# Altium PCB uTCA_MCH_PCB3.pcbdoc (part 7 of 25)
Units mil, origin at the board's own origin, x right, y up, seen from the top; angles counter-clockwise.
Board outline 7110.66 x 2894.12 mil, 12 copper layers (Top Layer, GND1, MidLayer1, PWR1, MidLayer2, GND2, PWR2, MidLayer3, GND3, MidLayer4, PWR3, Bottom Layer), stack 63.15 mil thick; 767 components, 905 nets, 4553 pads, 2832 vias.
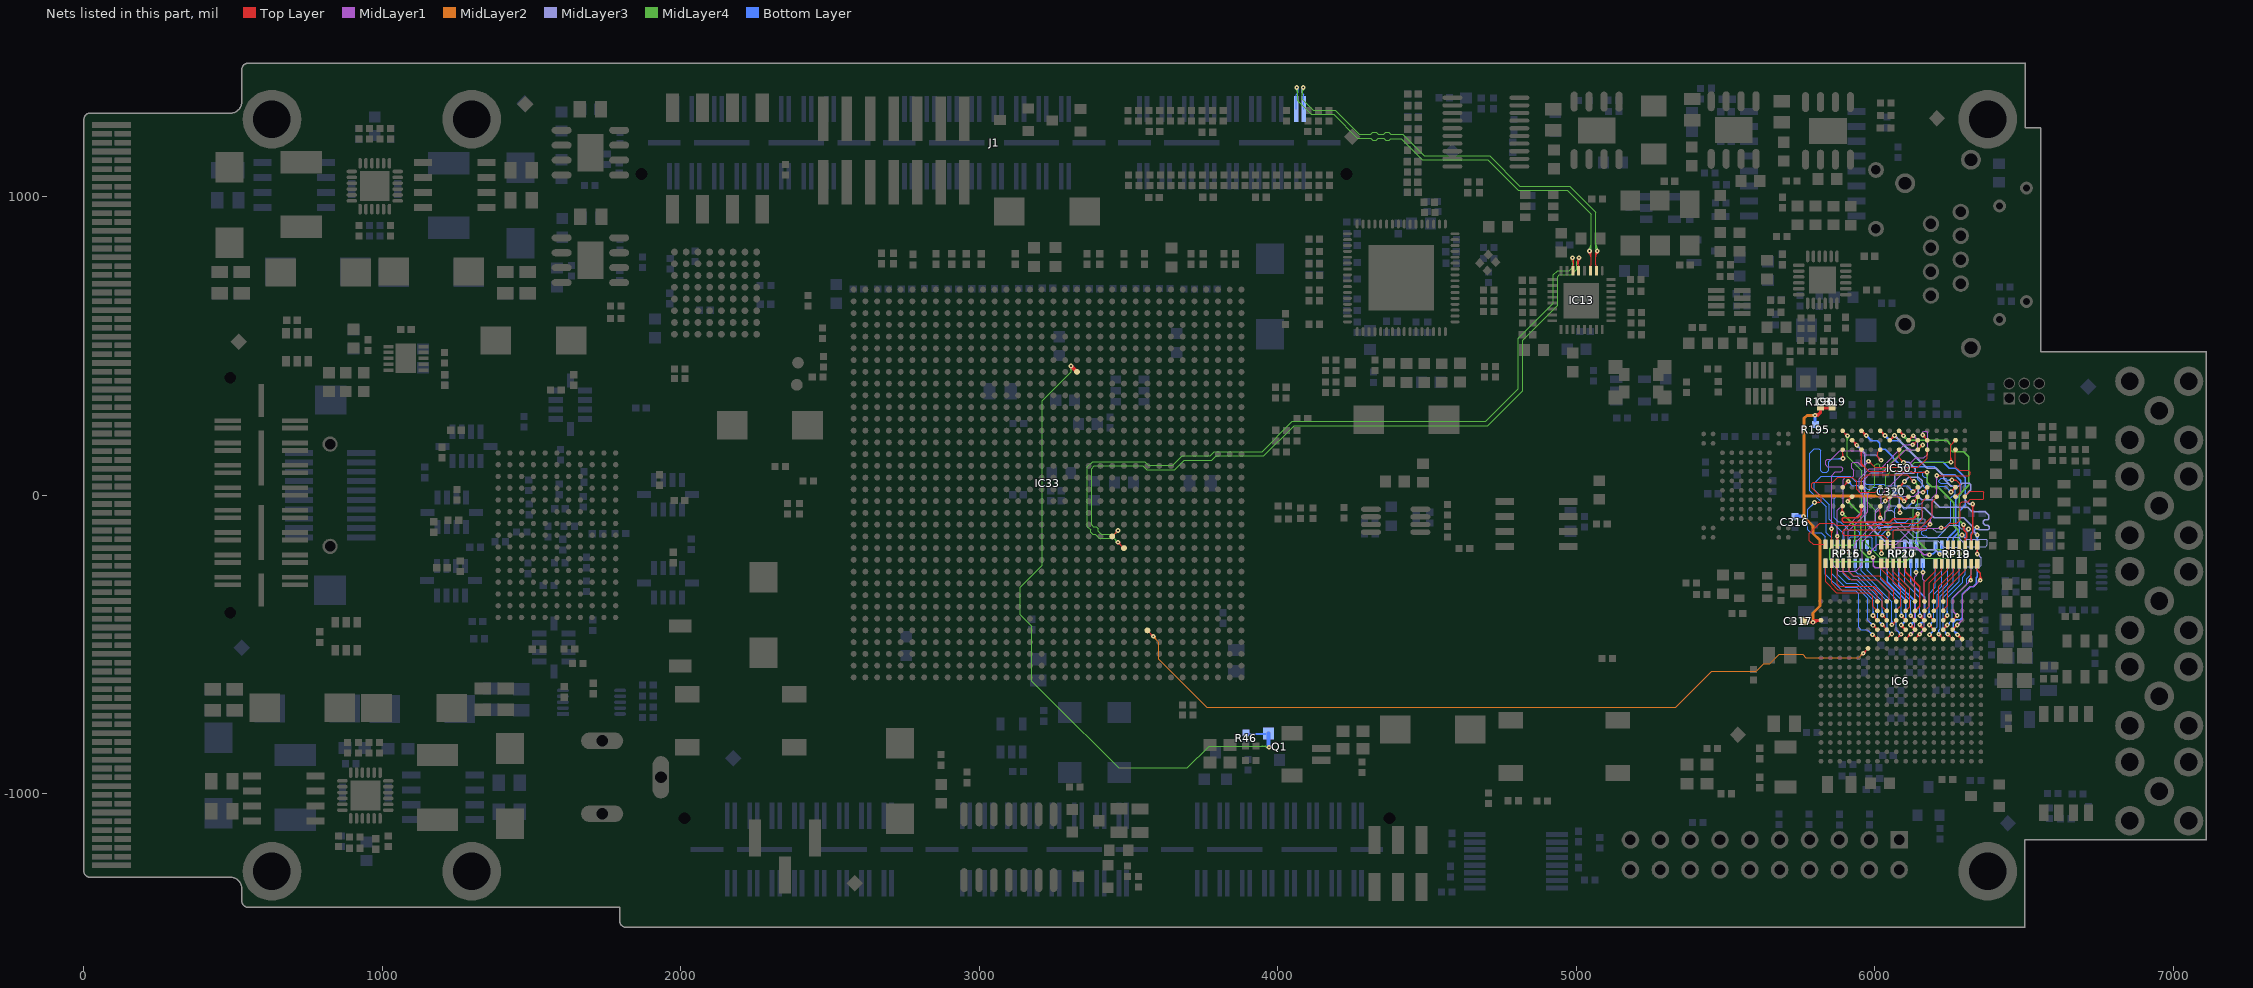
[diagram p17: the nets of this part, all layers, seen from the top]

## Via types
v1: diameter 15.75, hole 5.91, Top Layer to Bottom Layer, tented both sides, 2480 vias
v2: diameter 23.62, hole 11.81, Top Layer to Bottom Layer, tented both sides, 325 vias
v3: diameter 20, hole 10, Top Layer to Bottom Layer, tented both sides, 16 vias
v4: diameter 15.75, hole 7.87, Top Layer to Bottom Layer, tented both sides, 9 vias
v5: diameter 23.62, hole 11.81, Top Layer to Bottom Layer, 1 vias
v6: diameter 15.75, hole 5.91, Top Layer to Bottom Layer, 1 vias

## Nets (pads, with @x,y where several pads share a name; then routed paths per layer and width w, separated by ;. In a path a pad name is that pad's centre, name@x,y a point inside that pad or via, vN(x,y) a via of type N, cw(c..) or ccw(c..) an arc to the next point about the centre after c; other vN are vias at no path point) (continued)
DDR_A7: IC50.P2 RP20.15 | length 612.8
  Top Layer w3.94: v1(6258,51) 6272,51 ; v1@6262.23,46.88 cw(c6272,37.36) 6272,51 ; v1@6262.23,55.12 ccw(c6272,64.64) 6272,51 ; IC50.P2@6270.12,-4.78 6285.65,10.75 6285.65,37.35 6272,51
  Bottom Layer w3.94: RP20.15@6139.8,-164.23 6139.8,-123.2 6160,-103 6170,-103 6174,-107 6174,-115 6172,-117 6163,-117 6157,-123 6157,-130 6163,-136 6170,-136 6177,-143 6209,-143 6238,-114 6238,-105 6255,-88 6255,-8.49 6269,5.51 6269,24 6262,31 6252,31 6243,40 6220,40 6214,46 6214,49 6222,57 6237,57 6243,51 v1(6258,51) ; v1@6253.82,46.82 ccw(c6243.74,36.74) 6243.74,51 ccw(c6243.74,65.26) v1@6253.82,55.18
DDR_A8: IC50.P8 RP20.10 | length 649.7
  Top Layer w3.94: v1@6250.82,115.18 ccw(c6240.74,125.26) 6255,125.26 ccw(c6269.26,125.26) v1@6259.18,115.18 ; v1(6255,111) 6255,134.96 6254.17,135.79 6254.17,168.17 6255,169 ; 6255.46,169.54 IC50.P8@6270.12,184.2
  MidLayer4 w3.94: v1@6040.82,-125.82 ccw(c6030.74,-115.74) 6045,-115.74 ccw(c6059.26,-115.74) v1@6049.18,-125.82 ; v1(6045,-130) 6045,-99 6033,-87 6033,-55 6051,-37 6051,14 6036,29 6036,63 6053,80 6060,80 6072,68 6091.26,68 6134.26,111 v1@6252,111 ; v1@6250.82,106.82 ccw(c6240.74,96.74) 6240.74,111 ccw(c6240.74,125.26) v1@6250.82,115.18
  Bottom Layer w3.94: RP20.10@6041.38,-164.23 6041.38,-142.62 6045,-139 ; v1@6042.65,-135.42 cw(c6041.1,-139) 6045,-139 ; v1(6045,-130) 6044,-131 6045,-132 6045,-139 ; v1@6047.35,-135.42 ccw(c6048.9,-139) 6045,-139
DDR_A9: IC50.P3 RP20.9 | length 620.4
  Top Layer w3.94: v1(6255,11) 6255,11.6 IC50.P3@6270.12,26.72 ; v1@6255,16.91 ccw(c6255,29.72) 6264.06,20.66 ; v1@6260.91,11 cw(c6276.61,11) IC50.P3@6265.5,22.1
  Bottom Layer w3.94: RP20.9@6020.71,-164.23 6020.71,-134.8 6040.51,-115 6117,-115 6160.5,-71.5 6160.5,-53.5 6154,-47 6142,-47 6136.24,-41.24 6136.24,-34.24 6141.49,-29 6155.5,-29 6160.5,-24 6160.5,-20.5 6177.22,-3.78 6177.22,15.78 6164,29 6164,32.49 6143,53.49 6143,73 6149,79 6155,79 6160,74 6160,65 6165,60 6170,60 6175,55 6175,39 6184,30 6236,30 v1(6255,11) ; v1@6249.09,11 ccw(c6234.84,11) 6244.92,21.08 ccw(c6255,31.16) v1@6255,16.91
DDR_A10: IC50.M2 RP17.15 | length 578.3
  Top Layer w3.94: RP17.15@6043,-164.38 RP17.15@6042.05,-165.33 RP17.15@6042.05,-165.33 6042,-146 6039.78,-143.78 6037.38,-143.78 6027.6,-134 5897,-134 5892,-129 5892,-121 5898,-115 6051.05,-115 6061.05,-105 6157,-105 6192,-70 6192,-22 6207.13,-6.87 IC50.M2@6207.13,-4.78
DDR_A11: IC50.P7 RP17.14 | length 673.2
  Top Layer w3.94: RP17.14@6061.73,-165.33 6061.73,-121.27 6068,-115 6167,-115 v1(6185,-97) ; v1@6179.09,-97 cw(c6164.84,-97) 6174.92,-107.08 cw(c6185,-117.16) v1@6185,-102.91 ; v1(6207,66) 6314,66 6319,71 6319,77 6313,83 6282.12,83 6270.12,95 IC50.P7@6270.12,152.7 ; v1@6211.18,61.82 cw(c6221.26,51.74) 6221.26,66 cw(c6221.26,80.26) v1@6211.18,70.18
  MidLayer1 w3.94: v1@6180.82,-92.82 ccw(c6170.74,-82.74) 6185,-82.74 ccw(c6199.26,-82.74) v1@6189.18,-92.82 ; v1(6185,-97) 6185,-80 6192,-73 6192,-8 6207,7 v1(6207,66) ; v1@6202.82,61.82 cw(c6192.74,51.74) 6207,51.74 cw(c6221.26,51.74) v1@6211.18,61.82
DDR_A12: IC50.R2 RP16.16 | length 693
  Top Layer w3.94: v1(6222,-109) 6237,-109 6252,-94 6275,-94 6286.17,-82.83 6286.17,-26.83 6292,-21 6313,-21 6320,-14 6362,-14 6365,-11 6365,10 6361,14 6320.39,14 IC50.R2@6301.61,-4.78 ; v1@6226.18,-113.18 cw(c6236.26,-123.26) 6236.26,-109 cw(c6236.26,-94.74) v1@6226.18,-104.82
  MidLayer1 w3.94: v1(5981,-193) 5981,-192 6009,-164 6072,-164 6125.22,-110.78 6218.22,-110.78 6219,-110 6221,-110 v1(6222,-109) ; v1@5981,-187.09 ccw(c5981,-175.25) 5989.37,-183.63 ; v1@5986.91,-193 cw(c6003.58,-193) 5991.79,-181.21 ; 6203.45,-110.78 ccw(c6203.45,-90.45) v1@6217.82,-104.82 ; 6212.04,-110.78 cw(c6212.04,-118.96) v1@6217.82,-113.18 ; 6212.95,-110.78 ccw(c6212.95,-99.95) v1@6220.61,-107.61
  Bottom Layer w3.94: RP16.16@5974.29,-165.06 5974.29,-185.29 5981,-192 v1(5981,-193)
DDR_BA0: IC50.L2 RP15.16 | length 568.7
  Top Layer w3.94: 5780.77,-128.58 5780.77,-151.77 5793.66,-164.66 RP15.16@5834.29,-164.66 ; 5781,-128 5816,-93 5863,-93 5871,-101 6053.91,-101 6061.91,-93 6146,-93 6159.32,-79.68 6159.32,-21.68 6175.63,-5.37 IC50.L2@6175.63,-4.78
DDR_BA1: IC50.L3 RP16.11 | length 684
  Top Layer w3.94: v1(6161,10) 6175.63,24.63 IC50.L3@6175.63,26.72 ; v1@6161,15.91 ccw(c6161,30.16) 6171.08,20.08 ccw(c6181.16,10) v1@6166.91,10
  MidLayer1 w3.94: v1@5868.09,-193 cw(c5853.84,-193) 5863.92,-203.08 cw(c5874,-213.16) v1@5874,-198.91 ; v1@5875,-193 v1(5874,-193) 5857,-210 5857,-231.67 5880.33,-255 5936,-255 5957.5,-233.5 5957.5,-155.5 6035,-78 6035,-57 6049,-43 6049,-17 6062,-4 6132,-4 6146,10 v1(6161,10) ; v1@6156.82,5.82 ccw(c6146.74,-4.26) 6146.74,10 ccw(c6146.74,24.26) v1@6156.82,14.18
  Bottom Layer w3.94: v1@5869.82,-188.82 ccw(c5857.61,-176.61) RP16.11@5874.88,-176.61 ; v1(5874,-193) 5874.88,-192.12 RP16.11@5874.88,-165.06 ; 5874.88,-180.87 ccw(c5886.13,-180.87) v1@5878.18,-188.82
DDR_CAS: IC50.L7 RP15.14 | length 717.8
  Top Layer w3.94: v1@5869.82,-141.18 cw(c5858.18,-152.82) RP15.14@5874.65,-152.82 ; RP15.14@5874.65,-164.66 v1@5874.65,-138 ; RP15.14@5874.65,-149.7 cw(c5886.7,-149.7) v1@5878.18,-141.18 ; v1@5979,108.09 cw(c5979,93.84) 5989.08,103.92 cw(c5999.16,114) v1@5984.91,114 ; v1(5979,114) 6000,93 6143.91,93 6175.68,124.77 6175.68,152.7 IC50.L7@6175.68,154.75
  MidLayer1 w3.94: v1@5869.82,-132.82 ccw(c5859.74,-122.74) 5874,-122.74 ccw(c5888.26,-122.74) v1@5878.18,-132.82 ; v1(5874,-137) 5874,-51 5893.5,-31.5 5893.5,52.5 5900.85,59.85 5924.85,59.85 5930,65 5930,84 5923,91 5923,107 5927,111 5942,111 5954,99 5964,99 v1(5979,114) ; v1@5973.09,114 cw(c5958.84,114) 5968.92,103.92 cw(c5979,93.84) v1@5979,108.09
DDR_CKE: IC50.K2 RP16.15 | length 609.2
  Top Layer w4: v1(6129,-22) 6144.13,-6.87 IC50.K2@6144.13,-5.29 ; v1@6129,-16.13 ccw(c6129,-1.94) 6139.03,-11.97 ccw(c6149.06,-22) v1@6134.87,-22
  Bottom Layer w4: RP16.15@5955,-163.68 5955,-142 5958,-139 5986,-139 5991,-144 5991,-180 5996,-185 6005,-185 6005,-135 6020.5,-119.5 6020.5,-112.5 6018,-110 6013,-110 6009,-106 6009,-99 6013,-95 6022,-95 6031,-104 6114,-104 6126,-92 6126,-80 6122,-76 6118,-76 6103,-91 6074,-91 6066,-83 6066,-45 6074,-37 6088,-37 6097,-46 6105,-46 v1(6129,-22) ; v1@6123.13,-22 cw(c6108.94,-22) 6118.97,-32.03 cw(c6129,-42.06) v1@6129,-27.87
DDR_CLK_N: IC50.K8 RP15.13 | length 652.8
  Top Layer w3.94: v1@5889.82,-188.82 ccw(c5878.94,-177.94) RP15.13@5894.33,-177.94 ; v1(5894,-193) 5894.33,-192.67 RP15.13@5894.33,-164.66 ; RP15.13@5894.33,-179.54 ccw(c5907.46,-179.54) v1@5898.18,-188.82 ; v1(6127,169) 6142.2,184.2 IC50.K8@6144.13,184.2 IC50.K8@6144.13,185.87 ; v1@6127,174.91 ccw(c6127,189.16) 6137.08,179.08 ccw(c6147.16,169) v1@6132.91,169
  MidLayer1 w3.94: v1@5889.82,-188.82 ccw(c5879.74,-178.74) 5894,-178.74 ccw(c5908.26,-178.74) v1@5898.18,-188.82 ; v1(5894,-193) 5894,-166 5896.9,-163.1 5896.9,-115.12 5962.8,-49.22 5962.8,-2.8 5947.8,12.2 5947.8,55.88 5981.12,89.2 6019.2,89.2 6099,169 v1(6127,169) ; v1@6122.82,164.82 ccw(c6112.74,154.74) 6112.74,169 ccw(c6112.74,183.26) v1@6122.82,173.18
DDR_CLK_P: IC50.J8 RP15.12 | length 695.6
  Top Layer w3.94: v1@5909.82,-189.82 ccw(c5899.7,-179.7) RP15.12@5914.02,-179.7 ; RP15.12@5914.02,-179.78 ccw(c5928.22,-179.78) v1@5918.18,-189.82 ; RP15.12@5914.02,-164.66 v1(5914,-194) v1@5915,-193 ; IC50.J8@6112.64,184.2 6127.44,199 v1(6129,199) ; IC50.J8@6116.26,187.82 cw(c6129,175.07) v1@6129,193.09 ; 6120.02,191.58 ccw(c6112.6,199) v1@6123.09,199
  MidLayer1 w3.94: v1@5909.82,-189.82 ccw(c5899.74,-179.74) 5914,-179.74 ccw(c5928.26,-179.74) v1@5918.18,-189.82 ; v1(5914,-194) 5914,-165 5911.1,-162.1 5911.1,-121 5977,-55.1 5977,3.09 5962,18.09 5962,50 5987,75 6025.09,75 6103.09,153 6110.69,153 ; 6110.75,153.06 6110.69,153 ; v1@6129,193.09 cw(c6129,178.84) 6139.08,188.92 cw(c6149.16,199) v1@6134.91,199 ; v1(6129,199) 6144,184 6144,158 6139,153 6110.69,153
DDR_CS: IC50.L8 RP16.14 | length 694.7
  Top Layer w3.94: v1@6160.47,195.84 cw(c6160.47,188.56) 6165.62,193.71 ; v1(6160.47,201.75) 6160.47,198.86 6175.38,183.95 IC50.L8@6175.63,183.7 ; v1@6162.44,201.75 ccw(c6174.17,201.75) 6165.87,193.46 ; v1@6166.38,201.75 ccw(c6187.61,201.75) IC50.L8@6172.59,186.74 ; IC50.L8@6175.63,184.2 IC50.L8@6175.63,183.7 ; IC50.L8@6175.88,183.45 IC50.L8@6175.63,183.7
  MidLayer1 w3.94: v1@5929.82,-191.82 ccw(c5919.74,-181.74) 5934,-181.74 ccw(c5948.26,-181.74) v1@5938.18,-191.82 ; v1(5934,-196) 5934,-159 6002,-91 6002,-60 6021,-41 6021,1 6121.02,101.03 6121.02,108.32 6137.8,125.09 6164.25,125.09 6177,137.84 6177,212.19 6173.96,215.23 6162.98,215.23 6160,212.25 ; v1@6157.06,206.57 ccw(c6153.05,212.25) 6160,212.25 ; v1@6160,207 6160,212.25 ; v1@6163.19,206.99 cw(c6165.93,212.25) 6160,212.25
  Bottom Layer w3.94: v1@5929.82,-191.82 ccw(c5919.9,-181.89) 5933.94,-181.89 ; 5933.94,-181.59 ccw(c5948.41,-181.59) v1@5938.18,-191.82 ; RP16.14@5933.94,-165.06 5933.94,-195.94 v1(5934,-196)
DDR_D0: IC50.G8 RP18.10 | length 680.3
  Top Layer w4.29: IC50.G8@6049.65,185.35 IC50.G8@6049.65,184.2 6050.2,184.2 v1(6066,200) ; v1@6060.27,200 cw(c6046.44,200) 6056.22,190.22 cw(c6066,180.44) v1@6066,194.27 ; RP18.10@6322.28,-166.63 6322.28,-131.72 6328.04,-125.96 v1(6328,-29) ; v1@6323.95,-33.05 cw(c6314.07,-42.93) 6328.04,-42.93 ; 6328.04,-42.72 cw(c6341.73,-42.72) v1@6332.05,-33.05
  MidLayer3 w4.29: v1@6066,194.27 cw(c6066,180.44) 6075.78,190.22 cw(c6085.56,200) v1@6071.73,200 ; v1(6066,200) 6176.03,89.97 6205.03,89.97 6230.25,64.75 6230.25,55.25 6255.75,29.75 6280.75,29.75 6292,41 6317,41 6322,36 6322,18 6302.75,-1.25 6302.75,-17.25 6314.5,-29 ; v1@6323.88,-32.98 ccw(c6314.5,-42.04) 6314.5,-29 ; v1@6323.88,-25.02 cw(c6314.5,-15.96) 6314.5,-29 ; v1(6328,-29) 6314.5,-29
DDR_D1: IC50.G2 RP18.9 | length 710.2
  Top Layer w4: v1@6035,-13.13 ccw(c6035,2.08) IC50.G2@6045.75,-8.67 ; v1@6035.21,-19.21 IC50.G2@6049.65,-4.78 ; v1@6040.87,-19 cw(c6054.03,-19) IC50.G2@6044.73,-9.7 ; v1@6338.85,-192.85 ccw(c6328.93,-182.93) 6342.95,-182.93 ; v1(6343,-197) RP18.9@6342.95,-166.63 ; 6342.95,-182.7 ccw(c6357.3,-182.7) v1@6347.15,-192.85
  MidLayer3 w4: v1@6029.13,-19 cw(c6014.94,-19) 6024.97,-29.03 cw(c6035,-39.06) v1@6035,-24.87 ; v1(6035,-19) 6003,-51 6003,-94 6016,-107 6072.86,-107 6117.86,-152 6211,-152 6232.5,-173.5 6282.5,-173.5 6300.5,-191.5 6300.5,-233.5 6306,-239 6351,-239 6356,-234 6356,-210 v1(6343,-197) ; v1@6343,-202.87 cw(c6343,-217.06) 6353.03,-207.03 cw(c6363.06,-197) v1@6348.87,-197
DDR_D2: IC50.H7 RP19.16 | length 715.5
  Top Layer w3.94: IC50.H7@6081.14,152.7 6081.14,124.86 v1(6096,110) ; v1@6090.09,110 ccw(c6075.84,110) 6085.92,120.08 ccw(c6096,130.16) v1@6096,115.91
  MidLayer3 w4.29: v1(6096,110) 6114,110 6136,88 6136,80 6130,74 6073,74 6066,67 6066,26 6081,11 6081,-26 6097,-42 6166,-42 6199,-75 6297.65,-75 6328,-105.35 6328,-118 v1(6343,-133) ; v1@6100.05,105.95 cw(c6109.83,96.17) 6109.83,110 cw(c6109.83,123.83) v1@6100.05,114.05 ; v1@6337.27,-133 ccw(c6323.44,-133) 6333.22,-123.22 ccw(c6343,-113.44) v1@6343,-127.27
  Bottom Layer w4.29: v1@6338.95,-137.05 cw(c6329.28,-146.72) 6342.95,-146.72 ; RP19.16@6342.95,-166.63 v1(6343,-133) v1(6343,-133) ; 6342.95,-146.94 cw(c6356.94,-146.94) v1@6347.05,-137.05
DDR_D3: IC50.H3 RP19.15 | length 689.3
  Top Layer w4.29: IC50.H3@6081.14,26.72 6081.14,28.14 IC50.H3@6083,30 ; IC50.H3@6083.71,29.29 6099,44.57 v1(6099,46) ; 6088.21,33.79 ccw(c6076,46) v1@6093.27,46 ; 6091.65,37.23 cw(c6099,29.88) v1@6099,40.27
  MidLayer3 w4.29: v1(6099,46) 6114,61 6146,61 6158.5,48.5 6158.5,32.5 6145,19 6145,-3 6157,-15 6193,-15 6218,-40 6312,-40 6326.5,-54.5 6369.5,-54.5 6382,-67 6382,-78 6378,-82 6368,-82 6363,-87 6363,-94 6369,-100 6378,-100 6383,-105 6383,-112 6379,-116 6351,-116 ; v1@6099,51.73 ccw(c6099,65.56) 6108.78,55.78 ccw(c6118.56,46) v1@6104.73,46 ; v1(6342,-107) 6351,-116 ; v1@6342.35,-112.72 cw(c6343.03,-123.97) 6351,-116 ; v1@6347.72,-107.35 ccw(c6358.97,-108.03) 6351,-116
  Bottom Layer w4.29: RP19.15@6322.28,-166.63 6322.28,-126.72 v1(6342,-107) ; v1@6336.27,-107 cw(c6322.44,-107) 6332.22,-116.78 cw(c6342,-126.56) v1@6342,-112.73
DDR_D4: IC50.H1 RP19.14 | length 687.2
  Top Layer w3.94: v1@6079.82,-54.82 ccw(c6076.64,-51.64) 6081.14,-51.64 ; 6081.14,-47.35 ccw(c6095.65,-47.35) v1@6085.39,-57.61 ; IC50.H1@6081.14,-37.84 ccw(c6105.16,-37.84) v1@6088.18,-54.82 ; IC50.H1@6081.14,-36.28 6081.14,-56.14 v1(6084,-59)
  MidLayer3 w3.94: v1@6080.12,-54.55 ccw(c6072.65,-46) 6084,-46 ; v1(6084,-59) 6084,-46 ; v1@6087.88,-54.55 cw(c6095.35,-46) 6084,-46 ; v1@6309.82,-117.18 ccw(c6299.74,-127.26) 6299.74,-113 ccw(c6299.74,-98.74) v1@6309.82,-108.82 ; v1(6314,-113) 6290.1,-113 6278.3,-101.2 6248.7,-101.2 6226.9,-123 6205,-123 6192,-110 6160,-110 6144,-126 6135,-126 6126,-117 6126,-99 6133,-92 6167,-92 6169,-90 6169,-81 6166,-78 6070,-78 6066,-74 6066,-60 6056,-50 6044,-50 6041,-47 6041,-40 6046,-35 6073,-35 6084,-46
  Bottom Layer w3.94: RP19.14@6305.78,-163.45 6305.78,-125.22 ; v1@6308.36,-114.75 cw(c6298.41,-117.85) 6305.78,-125.22 ; 6310.39,-120.61 ccw(c6305.44,-115.66) v1@6312.12,-113.59 ; 6310.75,-120.25 cw(c6314,-123.51) v1@6314,-118.91 ; v1(6314,-113) 6314,-117 6305.78,-125.22
DDR_D5: IC50.H9 RP18.11 | length 692.5
  Top Layer w4.29: IC50.H9@6081.14,215.69 v1@6096,200.83 ; IC50.H9@6084.92,211.91 cw(c6072.01,199) v1@6090.27,199 ; 6089.35,207.48 ccw(c6096,214.13) v1@6096,204.73 ; v1@6293.12,-102.88 cw(c6283.34,-112.66) 6297.17,-112.66 cw(c6311,-112.66) v1@6301.22,-102.88 ; v1(6297.17,-98.83) 6297.17,-116.17 6307,-126 6307,-142 6302.6,-146.4 RP18.11@6302.6,-166.63
  MidLayer4 w4.29: v1@6096,193.27 cw(c6096,179.44) 6105.78,189.22 cw(c6115.56,199) v1@6101.73,199 ; v1(6096,199) 6110,185 6240,185 6255,170 6255,151 6261,145 6298,145 6314,129 6314,34 6282,2 6282,-83.65 v1(6297.17,-98.83) v1@6301.03,-102.68 ; v1@6291.44,-98.83 ccw(c6277.61,-98.83) 6287.39,-89.05 ccw(c6297.17,-79.27) v1@6297.17,-93.1
DDR_D6: IC50.F1 RP19.13 | length 672.1
  Top Layer w3.94: v1@6013.82,-70.82 ccw(c6003.38,-60.38) 6018.15,-60.38 ; v1(6018,-75) 6018.15,-74.85 IC50.F1@6018.15,-36.28 ; 6018.15,-61.1 ccw(c6031.9,-61.1) v1@6022.18,-70.82
  MidLayer3 w3.94: v1@6018,-80.91 cw(c6018,-95.16) 6028.08,-85.08 cw(c6038.16,-75) v1@6023.91,-75 ; v1(6018,-75) 6035,-92 6082,-92 6131,-141 6279,-141 6310,-172 6371,-172 6377,-166 6377,-150 6374,-147 6306,-147 v1(6292,-133) ; v1@6292,-138.91 cw(c6292,-153.16) 6302.08,-143.08 cw(c6312.16,-133) v1@6297.91,-133
  Bottom Layer w3.94: RP19.13@6282.91,-166.63 6282.91,-142.09 ; v1@6286.11,-133.45 cw(c6275.12,-134.29) 6282.91,-142.09 ; v1@6291.55,-138.89 ccw(c6290.71,-149.88) 6282.91,-142.09 ; v1(6292,-133) 6282.91,-142.09
DDR_D7: IC50.F9 RP19.12 | length 634.6
  Top Layer w4.29: IC50.F9@6018.15,215.69 v1@6033.84,200 ; 6023.95,209.89 ccw(c6034,219.94) v1@6034,205.73 ; 6024.33,209.51 cw(c6014.82,200) v1@6028.27,200
  Bottom Layer w4.29: v1@6034,194.27 cw(c6034,180.44) 6043.78,190.22 cw(c6053.56,200) v1@6039.73,200 ; v1(6034,200) 6051.04,182.96 6082.15,182.96 6154.11,111 6228.74,111 6249.87,89.87 6271.13,89.87 6303,58 6303,-33 6283,-53 6283,-122 6263.23,-141.77 RP19.12@6263.23,-166.63
DDR_D8: IC50.C8 RP19.10 | length 748.6
  Top Layer w4.29: IC50.C8@5923.66,184.2 5939,168.86 v1(5939,168) ; IC50.C8@5928.61,179.24 cw(c5917.37,168) v1@5933.27,168 ; 5930.69,177.17 ccw(c5939,185.49) v1@5939,173.73
  MidLayer3 w4.29: v1@5939,162.27 cw(c5939,148.44) 5948.78,158.22 cw(c5958.56,168) v1@5944.73,168 ; v1(5939,168) 5966.03,140.97 5966.03,108.63 5965.83,108.43 5965.83,-86.83 6033,-154 6106.35,-154 6135.67,-183.33 6202.33,-183.33 v1(6217,-198) ; v1@6211.27,-198 ccw(c6197.44,-198) 6207.22,-188.22 ccw(c6217,-178.44) v1@6217,-192.27
  Bottom Layer w4.29: v1@6212.95,-193.95 ccw(c6186.61,-167.61) RP19.10@6223.86,-167.61 ; v1@6215.98,-196.98 ccw(c6196.97,-177.97) RP19.10@6223.86,-177.97 ; v1(6217,-198) 6223.86,-191.14 RP19.10@6223.86,-166.63 ; v1@6219.02,-200.02 ccw(c6207.33,-188.33) 6223.86,-188.33
DDR_D9: IC50.C2 RP19.9 | length 700.8
  Top Layer w4.29: v1(5909,-20) 5909,-19.44 IC50.C2@5923.66,-4.78 ; v1@5909,-14.27 ccw(c5909,-1.79) 5917.82,-10.62 ; v1@5914.73,-20 cw(c5929.91,-20) IC50.C2@5919.17,-9.27
  MidLayer1 w4.29: v1@5989.95,-212.05 cw(c5980.17,-221.83) 5994,-221.83 cw(c6007.83,-221.83) v1@5998.05,-212.05 ; v1(5994,-208) 5994,-236 6001,-243 6034,-243 6044.33,-232.67 6044.33,-190.67 6059,-176 6140,-176 6163,-199 v1(6183,-199) ; v1@6178.95,-203.05 ccw(c6169.17,-212.83) 6169.17,-199 ccw(c6169.17,-185.17) v1@6178.95,-194.95
  MidLayer4 w4.29: v1@5909,-25.73 cw(c5909,-39.56) 5918.78,-29.78 cw(c5928.56,-20) v1@5914.73,-20 ; v1(5909,-20) 5953,-64 5953,-185 5976,-208 v1(5994,-208) ; v1@5989.95,-212.05 ccw(c5980.17,-221.83) 5980.17,-208 ccw(c5980.17,-194.17) v1@5989.95,-203.95
  Bottom Layer w4.29: v1(6183,-199) 6186.5,-195.5 6195.5,-195.5 ; v1@6188.47,-200.69 cw(c6195.5,-202.85) 6195.5,-195.5 ; RP19.9@6203.19,-166.63 6203.19,-187.81 6195.5,-195.5
DDR_D10: IC50.D7 RP18.12 | length 728
  Top Layer w3.94: 5962.5,97.5 5979,81 6122,81 6126,77 v1(6175,77) ; v1@6170.82,72.82 ccw(c6160.74,62.74) 6160.74,77 ccw(c6160.74,91.26) v1@6170.82,81.18
  Top Layer w4.29: IC50.D7@5955.16,152.7 5955.16,104.84 5962.5,97.5 ; v1@6278.95,-192.95 ccw(c6269.38,-183.38) 6282.91,-183.38 ; v1@6282.91,-196.91 RP18.12@6282.91,-166.63 ; 6282.91,-182.96 ccw(c6297.04,-182.96) v1@6287.05,-192.95
  MidLayer4 w4.29: v1@6170.95,72.95 cw(c6161.17,63.17) 6175,63.17 cw(c6188.83,63.17) v1@6179.05,72.95 ; v1(6175,77) 6175,43.65 6190.65,28 6210,28 6263.83,-25.83 6263.83,-102.17 6279.03,-117.37 6279.03,-171.03 6284,-176 6284,-196 v1(6283,-197) ; v1@6278.95,-192.95 ccw(c6266.76,-180.76) 6284,-180.76 ; 6284,-185.58 ccw(c6294.42,-185.58) v1@6287.05,-192.95
DDR_D11: IC50.D3 RP18.13 | length 725.5
  Top Layer w3.94: IC50.D3@5955.16,26.72 5955.16,52.16 5972,69 6108,69 v1(6131,46) ; v1@6125.09,46 ccw(c6110.84,46) 6120.92,56.08 ccw(c6131,66.16) v1@6131,51.91 ; v1@6258.82,-192.82 ccw(c6248.19,-182.19) RP18.13@6263.23,-182.19 ; v1(6263,-197) 6263.23,-196.77 RP18.13@6263.23,-166.63 ; 6263.23,-183.29 ccw(c6276.71,-183.29) v1@6267.18,-192.82
  MidLayer4 w3.94: v1@6131,40.09 cw(c6131,25.84) 6141.08,35.92 cw(c6151.16,46) v1@6136.91,46 ; v1(6131,46) 6144,33 6144,-31 6128,-47 6128,-157 6157.5,-186.5 6157.5,-201.5 6167.8,-211.8 6248.2,-211.8 v1(6263,-197) ; v1@6257.09,-197 cw(c6242.84,-197) 6252.92,-207.08 cw(c6263,-217.16) v1@6263,-202.91
DDR_D12: IC50.D1 RP18.14 | length 696.5
  Top Layer w4.29: IC50.D1@5955.16,-36.28 5955.16,-63 5943.16,-75 5894,-75 5891,-78 5891,-85 5896,-90 6050,-90 6062,-78 6128,-78 v1(6144,-62) ; v1@6138.27,-62 cw(c6124.44,-62) 6134.22,-71.78 cw(c6144,-81.56) v1@6144,-67.73 ; v1@6238.95,-192.95 ccw(c6227.86,-181.86) RP18.14@6243.54,-181.86 ; v1(6243,-197) 6243.54,-196.46 RP18.14@6243.54,-166.63 ; 6243.54,-184.48 ccw(c6255.52,-184.48) v1@6247.05,-192.95
  MidLayer4 w4.29: v1@6139.95,-66.05 cw(c6130.17,-75.83) 6144,-75.83 cw(c6157.83,-75.83) v1@6148.05,-66.05 ; v1(6144,-62) 6144,-153 6173,-182 6228,-182 v1(6243,-197) ; v1@6237.27,-197 ccw(c6223.44,-197) 6233.22,-187.22 ccw(c6243,-177.44) v1@6243,-191.27
DDR_D13: IC50.D9 RP19.11 | length 689.2
  Top Layer w4.29: IC50.D9@5955.16,215.69 5955.31,215.69 v1(5971,200) ; v1@5965.27,200 ccw(c5951.44,200) 5961.22,209.78 ccw(c5971,219.56) v1@5971,205.73
  Bottom Layer w4.29: v1@5971,194.27 cw(c5971,180.44) 5980.78,190.22 cw(c5990.56,200) v1@5976.73,200 ; v1(5971,200) 5988.04,182.96 6007.78,182.96 6016,174.74 6016,161 6022.39,154.61 6034.39,154.61 6061.52,127.48 6061.52,123.48 6090,95 6199,95 6225.96,68.04 6250.96,68.04 6251,68 6268,68 6288,48 6288,4 6271,-13 6271,-116.74 6243.54,-144.19 RP19.11@6243.54,-166.63
DDR_D14: IC50.B1 RP20.14 | length 688.1
  Top Layer w4.29: v1@5886.95,-56.95 ccw(c5877.17,-47.17) 5891,-47.17 ccw(c5904.83,-47.17) v1@5895.05,-56.95 ; v1(5891,-61) 5891,-37.44 IC50.B1@5892.17,-36.28
  MidLayer4 w4.29: v1@5891,-66.73 cw(c5891,-80.56) 5900.78,-70.78 cw(c5910.56,-61) v1@5896.73,-61 ; v1(5891,-61) 5933,-103 5933,-162 5927,-168 5860,-168 5849,-179 5849,-215 5856,-222 6104,-222 v1(6130,-196) ; v1@6124.27,-196 cw(c6110.44,-196) 6120.22,-205.78 cw(c6130,-215.56) v1@6130,-201.73
  Bottom Layer w4.29: RP20.14@6120.12,-164.23 6120.12,-186.12 v1(6130,-196) ; v1@6124.27,-196 ccw(c6110.44,-196) 6120.22,-186.22 ccw(c6130,-176.44) v1@6130,-190.27
DDR_D15: IC50.B9 RP20.13 | length 686.5
  Top Layer w3.94: IC50.B9@5892.17,215.69 5892.17,214.83 v1(5908,199) ; v1@5902.09,199 ccw(c5887.84,199) 5897.92,209.08 ccw(c5908,219.16) v1@5908,204.91
  MidLayer4 w3.94: v1@5903.82,194.82 cw(c5893.74,184.74) 5908,184.74 cw(c5922.26,184.74) v1@5912.18,194.82 ; v1(5908,199) 5908,129.9 5956,81.9 5956,-27 5969,-40 5969,-161 6018,-210 6086,-210 v1(6100,-196) ; v1@6094.09,-196 cw(c6079.84,-196) 6089.92,-206.08 cw(c6100,-216.16) v1@6100,-201.91
  Bottom Layer w3.94: v1@6095.82,-191.82 ccw(c6084.7,-180.7) 6100.43,-180.7 ; v1@6100.43,-195.57 RP20.13@6100.43,-164.23 ; 6100.43,-182.79 ccw(c6113.21,-182.79) v1@6104.18,-191.82
DDR_DQM0: IC50.F3 RP16.9 | length 617.6
  Top Layer w3.94: 5788,38 5794,44 5859.4,44 5876.38,60.98 5924.72,60.98 5939.54,46.16 5939.54,19.52 5948.43,10.63 6002.06,10.63 IC50.F3@6018.15,26.72 ; 5788.16,37.72 5788.16,25.86 5795.02,19 5795.31,19 5819.69,-5.38 5819.69,-19.31 5815,-24 v1(5798,-24) ; v1@5802.18,-28.18 cw(c5812.26,-38.26) 5812.26,-24 cw(c5812.26,-9.74) v1@5802.18,-19.82